# Altium PCB CH32V307V-R2-1v1.PcbDoc (part 1 of 3) (continued)
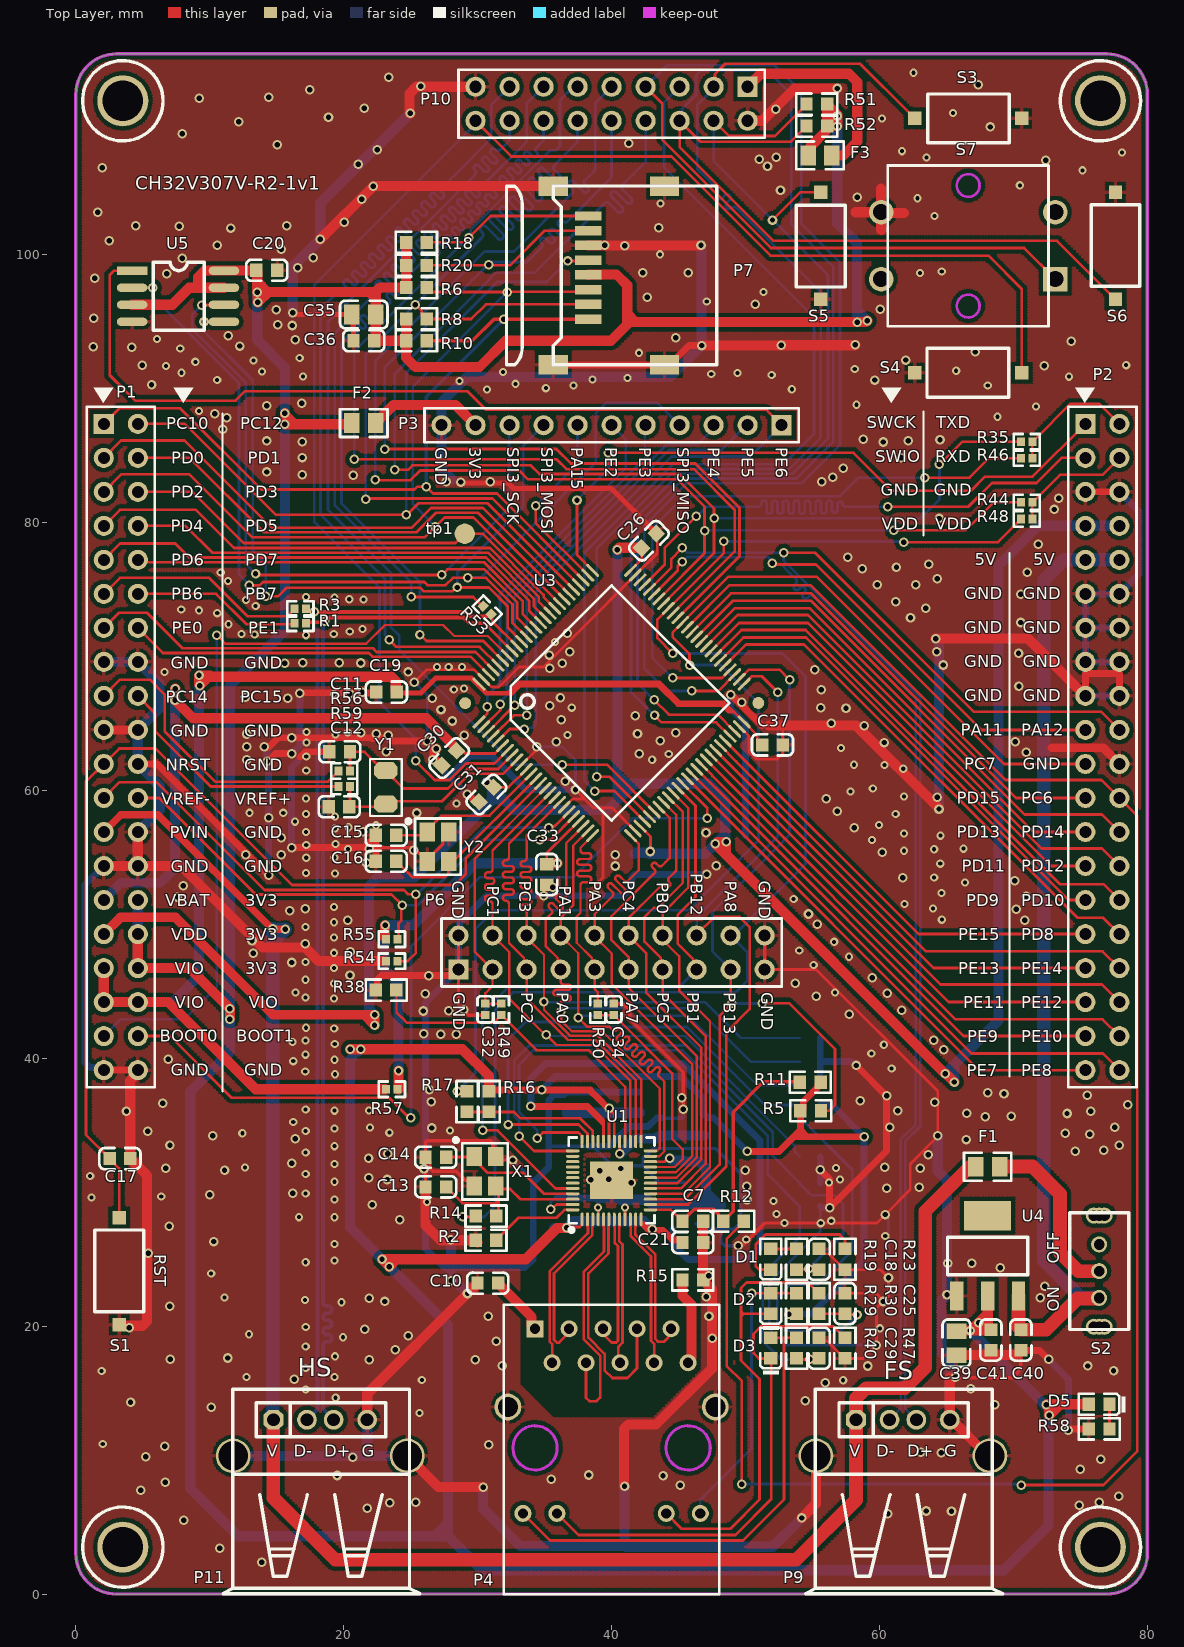
[diagram p0: Top Layer view]
## Footprints (in the part's own frame and the unit in brackets; to place one, negate y for a bottom-side part, rotate by r counter-clockwise, add the part's x,y. Pads: shape width x height; smd on the part's side, far side on the other; paste and mask are expansions set on the pad) (continued)
  silkscreen extent -1.27,-1.27 49.53,3.81
HOLE [mm]
  round 3.81 hole 3: 0(0,0)
  silkscreen extent -3,-3 3,3
"Horizontal Slide Switch_8.7x4.4mm-2D" [mm]
  round 1.2 hole 0.8: 0(0.2,2.6) 0(0.2,2.2) 0(0.2,1.8) 0(8.5,1.8) 0(8.5,2.2) 0(8.5,2.6) 1(4.35,2.2) 2(2.35,2.2) 3(6.35,2.2)
  silkscreen extent 0,0 8.7,4.4
KEYD [mm]
  rect 1.829x1.829 hole 1.2: 1(0,0)
  round 1.829 hole 1.2: 2(0,-5) 3(13,-5) 4(13,0)
  Keep-Out Layer circle w0.2: c6.5,-6.991 r0.85
  Keep-Out Layer circle w0.2: c6.5,2.009 r0.85
  silkscreen extent 0.5,-8.49 12.5,3.51
LQFP100 [mil]
  round 35 smd: 0(-68,10) 0(541.18,620)
  rect 9x50 smd: 1(0,0)
  oval 9x50 smd: 2(19.69,0) 3(39.37,0) 4(59.06,0) 5(78.74,0) 6(98.43,0) 7(118.11,0) 8(137.8,0) 9(157.48,0) 10(177.17,0) 11(196.85,0) 12(216.54,0) 13(236.22,0) 14(255.91,0) 15(275.59,0) 16(295.28,0) 17(314.96,0) 18(334.64,0) 19(354.33,0) 20(374.01,0) 21(393.7,0) 22(413.38,0) 23(433.07,0) 24(452.75,0) 25(472.44,0) 51(472.44,629.92) 52(452.75,629.92) 53(433.07,629.92) 54(413.39,629.92) 55(393.7,629.92) 56(374.02,629.92) 57(354.33,629.92) 58(334.65,629.92) 59(314.96,629.92) 60(295.27,629.92) 61(275.59,629.92) 62(255.9,629.92) 63(236.22,629.92) 64(216.54,629.92) 65(196.85,629.92) 66(177.17,629.92) 67(157.48,629.92) 68(137.8,629.92) 69(118.11,629.92) 70(98.43,629.92) 71(78.74,629.92) 72(59.06,629.92) 73(39.37,629.92) 74(19.69,629.92) 75(0,629.92)
  oval 50x9 smd: 26(551.18,78.74) 27(551.18,98.43) 28(551.18,118.11) 29(551.18,137.8) 30(551.18,157.48) 31(551.18,177.17) 32(551.18,196.85) 33(551.18,216.54) 34(551.18,236.22) 35(551.18,255.91) 36(551.18,275.59) 37(551.18,295.28) 38(551.18,314.96) 39(551.18,334.65) 40(551.18,354.33) 41(551.18,374.02) 42(551.18,393.7) 43(551.18,413.39) 44(551.18,433.07) 45(551.18,452.76) 46(551.18,472.44) 47(551.18,492.13) 48(551.18,511.81) 49(551.18,531.5) 50(551.18,551.18) 76(-78.74,551.18) 77(-78.74,531.5) 78(-78.74,511.81) 79(-78.74,492.13) 80(-78.74,472.44) 81(-78.74,452.76) 82(-78.74,433.07) 83(-78.74,413.39) 84(-78.74,393.7) 85(-78.74,374.02) 86(-78.74,354.33) 87(-78.74,334.65) 88(-78.74,314.96) 89(-78.74,295.28) 90(-78.74,275.59) 91(-78.74,255.91) 92(-78.74,236.22) 93(-78.74,216.54) 94(-78.74,196.85) 95(-78.74,177.17) 96(-78.74,157.48) 97(-78.74,137.8) 98(-78.74,118.11) 99(-78.74,98.43) 100(-78.74,78.74)
  silkscreen extent -8,70 481,560
POINT [mil] "测试点"
  round 60 smd: 1(0,0)
QFN-48_6x6x04P [mm]
  rect 3.2x2.8 smd mask+0.051: 0(0,0)
  oval 0.22x1 smd mask+0.051: 1(-2.2,-2.9) 2(-1.8,-2.9) 3(-1.4,-2.9) 4(-1,-2.9) 5(-0.6,-2.9) 6(-0.2,-2.9) 7(0.2,-2.9) 8(0.6,-2.9) 9(1,-2.9) 10(1.4,-2.9) 11(1.8,-2.9) 12(2.2,-2.9) 25(2.2,2.9) 26(1.8,2.9) 27(1.4,2.9) 28(1,2.9) 29(0.6,2.9) 30(0.2,2.9) 31(-0.2,2.9) 32(-0.6,2.9) 33(-1,2.9) 34(-1.4,2.9) 35(-1.8,2.9) 36(-2.2,2.9)
  oval 1x0.22 smd mask+0.051: 13(2.9,-2.2) 14(2.9,-1.8) 15(2.9,-1.4) 16(2.9,-1) 17(2.9,-0.6) 18(2.9,-0.2) 19(2.9,0.2) 20(2.9,0.6) 21(2.9,1) 22(2.9,1.4) 23(2.9,1.8) 24(2.9,2.2) 37(-2.9,2.2) 38(-2.9,1.8) 39(-2.9,1.4) 40(-2.9,1) 41(-2.9,0.6) 42(-2.9,0.2) 43(-2.9,-0.2) 44(-2.9,-0.6) 45(-2.9,-1) 46(-2.9,-1.4) 47(-2.9,-1.8) 48(-2.9,-2.2)
  silkscreen extent -3.2,-3.85 3.2,3.2
RJ45-1G [mil]
  round 78.74 hole 59.06: 0(-529.99,229.92) 0(79.85,229.92)
  rect 50x50 hole 30: 1(0,0)
  round 50 hole 30: 2(-50,100) 3(-100,0) 4(-150,100) 5(-200,0) 6(-250,100) 7(-300,0) 8(-350,100) 9(-400,0) 10(-450,100) 11(35.76,542.91) 12(-64.24,542.91) 13(-385.9,542.91) 14(-485.9,542.91)
  Keep-Out Layer circle w9: c0,350 r65
  Keep-Out Layer circle w9: c-450,350 r65
  silkscreen extent -542,-70 92,780
SMD-3225_4P [mm]
  rect 1.4x1.15 smd: 1(-1.1,-0.8) 2(1.1,-0.8) 3(1.1,0.8) 4(-1.1,0.8)
  silkscreen extent -2.48,-2.32 2.1,1.7, body extent -1.6,-1.25 1.6,1.25, height 0.61
SMD_6.1x3.65x2.5mm-KEY [mm]
  rect 1x1 smd: 1(0,0) 2(8,0)
  silkscreen extent 0.98,-1.82 7.08,1.82
SOIC-8_208mil [mil]
  rect 24x90 smd: 1(0,0)
  oval 24x90 smd: 2(50,0) 3(100,0) 4(150,0) 5(150,270) 6(100,270) 7(50,270) 8(0,270)
  silkscreen extent -25,62 175,212
SOT-223 [mm]
  rect 2.2x1 smd: 1(3,-2.3) 2(3,0) 3(3,2.3)
  rect 2.2x3.5 smd: 2(-3,0)
  silkscreen extent -1.4,-3 1.4,3, body extent -3.49,-3.24 3.49,3.24, height 1.64
TF103 [mm]
  rect 2x0.7 smd: 1(0.003,0.011) 2(0.003,-1.089) 3(0.003,-2.189) 4(0.003,-3.289) 5(0.003,-4.389) 6(0.003,-5.489) 7(0.003,-6.589) 8(0.003,-7.689)
  rect 2.2x1.45 smd: 10(-5.697,3.436) 10(-5.697,-9.914) 10(2.603,3.436) 10(2.603,-9.914)
  silkscreen extent -9.6,-9.92 6.1,3.44
USBAF [mil]
  round 102.36 hole 86.61: 0(-118.11,-106.3) 0(393.7,-106.3)
  oct 58x58 hole 38: 1(0,0)
  round 58 hole 38: 2(98.43,0) 3(177.17,0) 4(275.59,0)
  silkscreen extent -148,-511 431,90

## Part data
C1 C2 C3 C4 C5 C6 C7 C8 C9 C10 C11 C12 C13 C14 C15 C16 C17 C18 C19 C20 C21 C22 C23 C24 C25 C26 C27 C28 C29 C30 C31 C33 C37 C38 C39 C40 C41: library part CAP, "Capacitor"
C32 C34: library part "0603 2.7pF (2R7) 0.25pF 50V", "贴片电容", Package=0603, SuppliersPartNumber=C16149, ComponentLink1Description=供应商链接, ComponentLink1URL=http://www.szlcsc.com/product/details_16831.html, Supplier=LC
C35 C36: library part Cap, "Capacitor", Revision="July-2002: Re-released for DXP Platform."
D1 D5: library part "0603 蓝灯", "发光二极管", Package=0603, SuppliersPartNumber=C72041, ComponentLink1Description=供应商链接, ComponentLink1URL=http://www.szlcsc.com/product/details_73150.html, Supplier=LC
D2: library part "0805 黄灯", "发光二极管", Package=0805, SuppliersPartNumber=C2296, ComponentLink1Description=供应商链接, ComponentLink1URL=http://www.szlcsc.com/product/details_2669.html, Supplier=LC
D3: library part "0805 翠绿", "发光二极管", Package=0805, SuppliersPartNumber=C2297, ComponentLink1Description=供应商链接, ComponentLink1URL=http://www.szlcsc.com/product/details_2670.html, Supplier=LC
F1 F2 F3: library part "Fuse 1", "Fuse", LatestRevisionDate=17-Jul-2002, LatestRevisionNote="Re-released for DXP Platform.", PackageDescription="Thru-Hole; 2 Leads", PackageReference=PIN-W2/E2.8, Published=8-Jun-2000, Publisher="Altium Limited"
L1: library part Inductor, "Inductor", LatestRevisionDate=29-May-2009, LatestRevisionNote="IPC-7351 Footprint Added.", PackageDescription="Chip Inductor", PackageReference=0402-A, Published=8-Jun-2000, Publisher="Altium Limited"
P1 P2: "Header, 20-Pin, Dual row", LatestRevisionDate=17-Jul-2002, LatestRevisionNote="Re-released for DXP Platform.", Publisher="Altium Limited"
P3: "Header, 11-Pin", LatestRevisionDate=17-Jul-2002, LatestRevisionNote="Re-released for DXP Platform.", Publisher="Altium Limited"
P6: "Header, 10-Pin, Dual row", LatestRevisionDate=17-Jul-2002, LatestRevisionNote="Re-released for DXP Platform.", Publisher="Altium Limited"
P7: library part TF_自弹
P9 P11: "USB Port"
P10: "Header, 9-Pin, Dual row", LatestRevisionDate=17-Jul-2002, LatestRevisionNote="Re-released for DXP Platform.", Publisher="Altium Limited"
R1 R3 R35 R44 R46 R48 R53 R56 R59: library part "0402 0Ω (0R0) 1%", "贴片电阻", Package=0402, SuppliersPartNumber=C17168, ComponentLink1Description=供应商链接, ComponentLink1URL=http://www.szlcsc.com/product/details_17853.html, Supplier=LC
R2 R4 R5 R7 R9 R11 R12 R13 R14 R15 R16 R17 R19 R22 R23 R26 R29 R30 R33 R38 R40 R43 R47: library part Res
R6 R8 R10 R18 R20 R49 R50: library part Res2, "Resistor", PackageDescription="Axial Device, Thru-Hole; 2 Leads; 0.4 in Pin Spacing"
R51 R52: library part "0603 10KΩ (1002) 1%", "贴片电阻", Package=0603, SuppliersPartNumber=C25804, ComponentLink1Description=供应商链接, ComponentLink1URL=http://www.szlcsc.com/product/details_26547.html, Supplier=LC
R54 R55 R57: library part R
R58: library part "0603 470Ω (4700) 1%", "贴片电阻", Package=0603, SuppliersPartNumber=C23179, ComponentLink1Description=供应商链接, ComponentLink1URL=http://www.szlcsc.com/product/details_23906.html, Supplier=LC
S1 S3 S4 S5 S6 S7: library part KEY1
tp1: "测试点"
U1: library part RTL8211FS(I), "千兆以太网物理层芯片"
U3: "RISC-V FPU HD-MCU, 144MHz, USB_480M, USB OTG, 1000M Ethernet MAC, 2*CAN, FSMC+DVP"
U4: library part 6219P33M
U5: library part Pro89C.tmp_25F512_2
X1: library part XTAL-2P, "2脚无源脚晶振", BOM名称=2脚无源脚晶振
Y1 Y2: library part XTAL, "Crystal Oscillator", LatestRevisionDate=17-Jul-2002, LatestRevisionNote="Re-released for DXP Platform.", PackageDescription="Crystal, Thru-Hole; 2 Leads; Body 3.1 x 8.2 mm (Dia.xH)", PackageReference=R38, Published=8-Jun-2000, Publisher="Altium Limited"

## Free pads (board coordinates)
  round 0.711 hole 0.406: 2(39.782,30.987)

## Via types
v1: diameter 0.711, hole 0.406, Top Layer to Bottom Layer, tented both sides, 507 vias
v2: diameter 0.61, hole 0.305, Top Layer to Bottom Layer, tented both sides, 214 vias

## Nets (pads, with @x,y where several pads share a name; then routed paths per layer and width w, separated by ;. In a path a pad name is that pad's centre, name@x,y a point inside that pad or via, vN(x,y) a via of type N, cw(c..) or ccw(c..) an arc to the next point about the centre after c; other vN are vias at no path point)
3V3: C20.2 C21.2 C22.2 C23.2 C24.2 C27.2 C28.2 C35.2 C36.2 C39.1 C41.1 D5.A F2.2 F3.2 P1.30 P1.32 P1.34 P7.4 R5.1 R6.2 R8.2 R10.2 R11.2 R13.2 R16.2 R18.2 R20.2 R29.1 R33.1 R51.2 R52.2 U1.1 U1.12 U1.30 U1.31 U4.2@68.081,22.254 U5.3 U5.7 U5.8 | length 486.5
  Top Layer w0.203: v1(36.646,27.34) 36.713,27.407 37.615,27.407 37.8,27.592 U1.1@37.8,27.986 ; 39.304,36.693 v1@39.8,36.196 ; U1.31@39.8,33.786 v1@39.8,36.196 ; U1.30@40.2,33.786 40.203,33.79 40.203,35.793 v1@39.8,36.196
  Top Layer w0.508: R16.2@30.856,37.54 30.957,37.642 34.134,37.642 38.431,37.642 38.355,37.642 ; v1(34.768,37.642) 38.355,37.642 ; v1@39.79,36.206 39.79,36.227 39.659,36.358 39.638,36.358 39.043,36.953 38.355,37.642 ; 42.376,27.583 42.624,27.335 42.807,27.152 43.842,27.152 44.567,26.427 45.106,26.427 C21.2@45.292,26.241 ; v1(50.128,33.049) 52.494,33.049 53.583,34.138 ; R11.2@55.601,38.216 55.39,38.005 55.39,37.818 54.306,36.733 54.306,36.297 R5.1@54.095,36.086 54.095,34.65 ; v1(58.85,34.138) 54.607,34.138 ; 53.583,34.138 54.095,34.65 ; 53.583,34.138 54.607,34.138 ; 54.095,34.65 54.607,34.138
  Top Layer w0.762: U5.3@4.196,96.271 7.193,96.271 8.463,97.541 U5.7@11.054,97.541 ; P1.32@4.621,49.28 P1.34@4.621,46.74 8.465,46.74 v1(11.488,43.718) 11.497,43.709 v1@11.497,42.97 ; 9.126,97.746 9.126,98.329 9.625,98.827 C20.2@13.465,98.827 ; C20.2@13.481,98.843 C20.2@13.465,98.827 ; v1(15.607,88.182) v1@15.607,88.043 ; 16.204,87.446 v1@15.607,88.043 ; v1(20.469,40.683) 28.856,40.683 30.856,38.683 R16.2@30.856,37.54 ; F2.2@20.602,87.351 v1(15.607,87.351) v1@15.607,88.043 ; C36.2@22.269,93.583 C36.2@22.288,93.583 ; R8.2@24.652,95.212 R10.2@24.652,93.583 ; R18.2@24.652,100.901 R20.2@24.652,99.213 R6.2@24.652,97.549 24.586,97.549 24.568,97.568 22.717,97.568 22.382,97.233 22.382,97.216 ; v1(36.646,27.34) 35.941,27.34 33.599,24.999 23.941,24.999 ; P7.4@38.25,98.501 38.275,98.526 40.368,98.526 41.163,97.731 41.163,95.593 ; F3.2@54.652,107.419 54.866,107.633 54.866,108.105 56.008,109.247 56.008,109.531 R52.2@56.092,109.615 ; R51.2@56.092,111.252 R51.2@56.092,111.227 ; v1(59.096,95.069) 59.001,94.974 v1(58.333,94.974) 42.624,94.974 41.782,94.974 ; C39.1@65.749,19.619 65.807,19.676 v1(66.778,19.676) v1@66.832,19.676 ; U4.2@68.081,22.254 68.081,20.925 ; D5.A@75.638,14.168 73.499,14.168 ; C20.2@13.465,98.827 13.534,98.759 13.534,97.987 ; v1(13.534,97.216) 14.305,97.216 ; v1(13.534,97.216) 13.534,97.987 ; v1(13.534,97.216) 13.574,97.176 v1(13.574,96.44) 14.35,97.216 ; 13.534,97.987 14.305,97.216 ; 14.305,97.216 14.35,97.216 ; 14.35,97.216 21.943,97.216 ; 21.943,97.216 22.382,97.216 ; 21.943,97.216 22.382,96.777 ; C36.2@22.288,93.583 R10.2@24.652,93.583 ; C36.2@22.288,93.583 22.382,93.678 C35.2@22.382,95.537 22.382,96.777 ; 22.382,96.777 22.382,97.216 ; 23.941,24.999 v1(22.857,24.999) 23.386,24.47 v1(23.386,24.444) 23.941,24.999 ; R10.2@24.652,93.583 24.652,92.324 25.35,91.625 30.14,91.625 32.101,93.587 39.955,93.587 41.163,94.795 ; 41.163,94.795 41.163,95.593 ; 41.163,94.795 41.342,94.974 41.782,94.974 ; 41.163,95.593 41.782,94.974 ; R52.2@56.092,109.615 v1(56.857,109.615) 56.856,109.616 v1(56.856,110.364) ; R52.2@56.092,109.615 56.092,110.114 ; 56.092,110.114 R51.2@56.092,111.227 ; 56.092,110.114 56.341,110.364 v1(56.856,110.364) ; R51.2@56.092,111.227 56.856,110.463 v1(56.856,110.364) ; v1@66.832,19.676 68.26,19.676 C41.1@68.318,19.734 68.293,19.734 68.081,19.946 68.081,20.925 ; v1@66.832,19.676 v1(67.424,20.268) 68.081,20.925 ; 73.499,14.168 v1(72.68,13.349) 72.68,13.911 v1(72.466,14.125) 72.508,14.168 73.499,14.168
  Bottom Layer w0.508: v1(34.768,37.642) 35.78,38.653 45.196,38.653 46.822,37.027 R13.2@46.822,35.774 ; R13.2@46.97,35.774 47.181,35.563 47.614,35.563 v1(50.128,33.049) ; v1(53.241,20.886) 54.872,20.886 58.85,24.864 v1(58.85,34.138) 56.474,36.513 R33.1@55.584,36.513
  Bottom Layer w0.762: P1.34@4.621,46.74 P1.32@4.621,49.28 P1.30@4.621,51.82 ; v1(13.534,97.216) 13.534,93.646 15.607,91.572 v1(15.607,88.182) v1(15.607,87.351) 15.607,71.917 11.488,67.798 v1(11.488,43.718) 11.488,40.463 8.534,37.51 8.534,7.911 12.129,4.316 26.772,4.316 ; v1(20.469,40.683) 20.484,40.683 20.631,40.536 21.105,40.536 v1(21.26,40.691) v1@20.476,40.691 ; 20.659,40.09 20.469,39.9 20.469,27.387 27.792,20.063 27.792,5.336 ; C23.2@35.694,27.34 v1(36.646,27.34) 37.141,27.836 42.424,27.836 v1(43.021,27.239) ; C24.2@36.628,35.938 C22.2@38.206,35.938 C28.2@40.521,35.938 C27.2@42.099,35.938 ; v1(56.856,110.364) 56.857,110.363 v1(56.857,109.615) 56.857,102.342 58.333,100.865 58.333,95.831 ; v1(66.778,19.676) v1@66.986,19.468 ; 67.193,19.261 67.193,20.038 v1(67.424,20.268) ; 67.424,19.03 v1@72.397,14.057 ; v1@72.624,13.83 72.624,5.111 69.289,1.777 30.332,1.777 27.792,4.316 ; 26.772,4.316 27.792,4.316 ; 26.772,4.316 27.792,5.336 ; 27.792,4.316 27.792,5.336 ; 58.333,95.831 v1(59.096,95.069) 58.428,95.069 v1(58.333,94.974) 58.333,95.831
  other v1: 39.816,36.257 11.497,42.919
5V: C40.1 P2.9 P2.10 S2.2 U4.3 | length 71.8
  Top Layer w1.016: U4.3@70.381,22.254 70.381,19.915 C40.1@70.563,19.734 72.452,19.734 74.789,22.071 76.368,22.071 S2.2@76.403,22.106
  Bottom Layer w1.016: S2.2@76.403,22.106 76.368,22.141 75.003,22.141 72.262,24.882 72.262,75.696 73.786,77.22 P2.9@75.379,77.22 P2.10@77.919,77.22
AVDD10: C1.2 C2.2 C3.2 C4.2 C5.2 C6.2 L1.2 U1.4 U1.9 U1.22 U1.47 | length 27.4
  Top Layer w0.203: v1(35.463,28.729) 35.539,28.729 35.896,29.086 U1.47@37.1,29.086 ; v2(38.988,28.853) 38.997,28.844 38.997,27.99 U1.4@39,27.986 ; U1.9@40.997,27.99 v2@40.997,28.844 ; U1.22@42.9,32.286 43.946,32.286 44.209,32.55 v1(44.347,32.55)
  Bottom Layer w0.203: v1(35.463,28.729) 35.463,29.275 C1.2@35.709,29.521
  Bottom Layer w0.508: C1.2@35.903,29.563 38.837,29.563 C3.2@38.953,29.447 ; C3.2@39.073,29.447 C2.2@40.623,29.447 ; C2.2@40.859,29.658 C2.2@41.093,29.658
  Bottom Layer w0.762: C2.2@40.623,29.447 42.699,29.447 42.993,29.153 44.462,29.153 44.468,29.147 44.571,29.147 C4.2@46.342,29.147 ; v1(44.347,32.55) 44.516,32.381 45.349,32.381 C6.2@45.433,32.297 46.529,32.297 47.056,31.769 47.056,29.836 ; C4.2@46.342,29.147 46.4,29.09 C5.2@47.957,29.09 ; C4.2@46.342,29.147 C4.2@46.367,29.147 ; C4.2@46.367,29.147 47.056,29.147 47.056,29.836 ; C4.2@46.367,29.147 47.056,29.836 ; 47.056,29.836 47.211,29.836 C5.2@47.957,29.09 ; C5.2@47.957,29.09 48.112,29.09 48.17,29.032 48.015,29.032 C5.2@47.957,29.09
  other v2: 40.988,28.853
BOOT0: P1.37 U3.94 | length 59.7
  Top Layer w0.178: v1(10.516,71.603) 11.163,70.955 21.667,70.955 23.069,72.357 27.422,72.357 28.245,71.534 30.755,71.534 30.998,71.291 U3.94@32.222,70.068
  Bottom Layer w0.178: P1.37@2.081,41.66 3.331,42.91 8.088,42.91 10.516,45.337 v1(10.516,71.603)
BOOT1: P1.38 U3.37 | length 65.2
  Top Layer w0.203: P1.38@4.621,41.66 7.032,41.66 11.633,37.059 23.37,37.059 24.701,35.728 24.714,35.728 24.882,35.56 v1(25.019,35.56) ; U3.37@45.303,60.522 47.152,58.673 v1(47.152,57.919)
  Bottom Layer w0.203: v1(25.019,35.56) 25.019,48.36 30.186,53.527 37.163,53.527 41.555,57.919 v1(47.152,57.919)
DP_PWDN: P10.18 S4.1 U3.7 | length 116.5
  Top Layer w0.203: v1(25.37,62.207) 26.794,60.784 27.901,60.784 29.137,62.019 31.245,62.019 U3.7@32.222,62.996 ; P10.18@29.84,110.007 32.516,107.331 44.463,107.331 51.861,99.934 68.132,99.934 70.626,97.439 S4.1@70.626,91.182
  Bottom Layer w0.203: v1(25.37,62.207) 25.37,63.862 22.667,66.565 22.667,75.167 17.801,80.034 17.801,97.742 29.84,109.781 P10.18@29.84,110.007
DP_RESET: P10.7 S7.1 U3.53 | length 114.5
  Top Layer w0.203: P10.7@42.54,112.547 43.772,111.315 43.772,108.625 51.891,100.506 70.803,100.506 S7.1@73.126,98.183 ; v1(45.992,67.431) 47.97,67.431 U3.53@49.192,68.653
  Bottom Layer w0.203: P10.7@42.54,112.547 44.144,114.151 52.165,114.151 54.171,112.145 54.171,102.302 57.057,99.417 57.057,85.807 54.188,82.938 45.596,82.938 42.445,79.787 42.445,69.095 44.108,67.431 v1(45.992,67.431)
DVDDREG: C8.2 C9.2 R13.1 U1.29 | length 7.7
  Top Layer w0.178: v1@40.6,32.892 U1.29@40.6,33.786
  Bottom Layer w0.762: v1@40.657,32.867 41.815,34.024 43.329,34.024 43.455,34.15 43.689,34.15 C8.2@43.773,34.234 ; C8.2@43.798,34.234 C9.2@45.357,34.234 R13.1@46.97,34.234
  other v1: 40.6,32.867
DVP_D2/SDIO_D0: P7.7 P10.10 R20.1 U3.65 | length 87.9
  Top Layer w0.203: v1(23.063,85.496) 35.866,85.496 36.952,84.41 46.246,84.41 49.544,81.112 49.544,77.49 U3.65@44.95,72.896 ; R20.1@26.192,99.213 30.816,99.213 32.42,99.213 35.008,101.801 P7.7@38.25,101.801
  Bottom Layer w0.203: v1(23.063,85.496) 23.063,91.583 29.598,98.118 ; 29.566,98.118 29.598,98.118 ; P10.10@40,110.007 40,105.773 37.177,102.95 36.715,102.488 cw(c36.554,102.65) 36.392,102.488 36.369,102.511 ccw(c36.208,102.349) 36.046,102.511 ccw(c36.208,102.349) 36.046,102.188 36.316,101.918 cw(c36.154,101.756) 36.316,101.595 cw(c36.154,101.756) 35.992,101.595 35.723,101.864 ccw(c35.561,101.703) 35.399,101.864 ccw(c35.561,101.703) 35.399,101.541 35.669,101.271 cw(c35.508,101.11) 35.346,100.948 35.076,101.218 ccw(c34.915,101.056) 34.753,101.218 ccw(c34.915,101.056) 34.753,100.894 34.775,100.872 cw(c34.614,100.71) 34.775,100.549 34.704,100.477 33.69,99.463 30.944,99.463 29.598,98.118
  other v1: 30.816,99.249
DVP_D3/SDIO_D1: P7.8 P10.11 R18.1 U3.66 | length 87.6
  Top Layer w0.203: v1(20.777,84.734) 35.883,84.734 36.623,83.995 46.158,83.995 49.188,80.965 49.188,77.842 U3.66@44.596,73.25 ; R18.1@26.192,100.926 28.906,100.926 29.257,101.277 v1(29.345,101.277) 30.968,102.901 P7.8@38.25,102.901
  Bottom Layer w0.203: v1(20.777,84.734) 20.777,92.786 29.478,101.487 29.478,101.839 35.45,107.81 35.852,107.81 36.155,108.113 36.155,111.55 37.153,112.547 P10.11@37.46,112.547
DVP_D4/SDIO_D3: P7.2 P10.12 R8.1 U3.79 | length 88.6
  Top Layer w0.203: v1(21.641,81.737) 21.707,81.803 31.093,81.803 U3.79@37.525,75.371 ; v1(25.348,96.275) 25.828,95.795 25.828,95.575 R8.1@26.192,95.212 29.517,95.212 30.606,96.301 P7.2@38.25,96.301
  Bottom Layer w0.203: v1(21.641,81.737) 21.641,92.606 30.268,101.233 30.34,101.305 ccw(c30.16,101.484) 30.34,101.664 30.262,101.742 cw(c30.442,101.921) 30.621,102.101 31.503,101.22 ccw(c31.682,101.399) 31.862,101.22 ccw(c31.682,101.399) 31.862,101.579 30.981,102.46 cw(c31.16,102.64) 30.981,102.819 cw(c31.16,102.64) 31.34,102.819 32.221,101.938 ccw(c32.401,102.118) 32.58,102.297 31.699,103.178 cw(c31.879,103.358) 31.699,103.538 cw(c31.879,103.358) 32.058,103.538 32.94,102.656 ccw(c33.119,102.836) 33.299,102.656 ccw(c33.119,102.836) 33.299,103.016 32.418,103.897 cw(c32.597,104.076) 32.777,104.256 33.658,103.375 ccw(c33.838,103.554) 34.017,103.375 ccw(c33.838,103.554) 34.017,103.734 33.136,104.615 cw(c33.316,104.795) 33.136,104.975 cw(c33.316,104.795) 33.495,104.975 34.376,104.093 ccw(c34.556,104.273) 34.736,104.453 33.854,105.334 cw(c34.034,105.513) 33.854,105.693 cw(c34.034,105.513) 34.214,105.693 35.095,104.812 ccw(c35.274,104.991) 35.454,104.812 ccw(c35.274,104.991) 35.454,105.171 34.573,106.052 cw(c34.752,106.232) 34.932,106.411 35.813,105.53 ccw(c35.993,105.71) 36.172,105.53 ccw(c35.993,105.71) 36.172,105.889 35.728,106.334 cw(c35.908,106.513) 35.728,106.693 36.069,107.033 37.46,108.425 P10.12@37.46,110.007
DVP_D5: P10.13 R53.2 | length 70.8
  Top Layer w0.203: v1(25.03,74.46) 25.045,74.444 29.666,74.444 R53.2@30.378,73.732
  Bottom Layer w0.203: 24.3,98.87 ccw(c24.452,99.023) 24.605,98.87 ccw(c24.452,99.023) 24.605,99.175 24.261,99.519 cw(c24.413,99.672) 24.566,99.825 24.91,99.481 ccw(c25.063,99.633) 25.216,99.786 24.871,100.13 cw(c25.024,100.283) 25.177,100.435 25.521,100.091 ccw(c25.674,100.244) 25.826,100.397 25.482,100.741 cw(c25.635,100.893) 25.787,101.046 26.132,100.702 ccw(c26.284,100.855) 26.437,101.007 26.093,101.351 cw(c26.245,101.504) 26.093,101.657 cw(c26.245,101.504) 26.398,101.657 26.742,101.313 ccw(c26.895,101.465) 27.048,101.618 26.703,101.962 cw(c26.856,102.115) 27.009,102.267 27.353,101.923 ccw(c27.506,102.076) 27.658,102.229 27.314,102.573 cw(c27.467,102.725) 27.619,102.878 27.964,102.534 ccw(c28.116,102.687) 28.269,102.839 27.925,103.183 cw(c28.077,103.336) 27.925,103.489 cw(c28.077,103.336) 28.23,103.489 28.574,103.145 ccw(c28.727,103.297) 28.88,103.45 28.535,103.794 cw(c28.688,103.947) 28.841,104.099 29.185,103.755 ccw(c29.338,103.908) 29.49,104.061 29.146,104.405 cw(c29.299,104.557) 29.451,104.71 29.796,104.366 ccw(c29.948,104.519) 30.101,104.671 29.757,105.015 cw(c29.909,105.168) 30.062,105.321 30.135,105.248 ccw(c30.288,105.4) 30.441,105.248 30.712,105.519 33.668,108.475 33.668,110.707 33.664,110.71 33.664,111.292 P10.13@34.92,112.547 ; 24.3,98.87 23.955,99.214 ccw(c23.803,99.061) 23.65,98.909 23.994,98.565 cw(c23.842,98.412) 23.689,98.259 23.345,98.603 ccw(c23.192,98.451) 23.04,98.298 23.384,97.954 cw(c23.231,97.801) 23.078,97.649 22.734,97.993 ccw(c22.582,97.84) 22.429,97.687 22.502,97.614 cw(c22.349,97.462) 22.502,97.309 22.43,97.237 19.334,94.141 19.334,81.27 25.03,75.574 v1(25.03,74.46)
DVP_D6: P10.14 U3.95 | length 74.8
  Top Layer w0.203: v1(25.692,71.642) 26.166,71.168 30.414,71.168 U3.95@31.868,69.714
  Bottom Layer w0.203: v1(25.692,71.642) 25.692,75.564 19.838,81.417 19.838,93.451 19.96,93.572 20.337,93.949 cw(c20.489,93.797) 20.642,93.949 20.669,93.923 ccw(c20.822,94.075) 20.974,94.228 20.693,94.509 cw(c20.846,94.661) 20.999,94.814 21.28,94.533 ccw(c21.432,94.686) 21.585,94.839 21.304,95.119 cw(c21.457,95.272) 21.609,95.425 21.89,95.144 ccw(c22.043,95.297) 22.196,95.144 ccw(c22.043,95.297) 22.196,95.449 21.915,95.73 cw(c22.067,95.883) 22.22,96.035 22.501,95.755 ccw(c22.654,95.907) 22.806,96.06 22.525,96.341 cw(c22.678,96.493) 22.831,96.646 23.111,96.365 ccw(c23.264,96.518) 23.417,96.671 23.273,96.814 cw(c23.426,96.967) 23.578,97.12 23.722,96.976 ccw(c23.875,97.129) 24.027,97.281 23.891,97.417 cw(c24.044,97.57) 23.891,97.723 cw(c24.044,97.57) 24.197,97.723 24.333,97.587 ccw(c24.485,97.739) 24.638,97.892 24.611,97.919 cw(c24.764,98.071) 24.611,98.224 26.443,100.056 cw(c26.596,99.903) 26.749,100.056 26.775,100.029 ccw(c26.928,100.182) 27.081,100.335 26.942,100.474 cw(c27.094,100.626) 27.247,100.779 27.386,100.64 ccw(c27.539,100.792) 27.691,100.945 27.552,101.085 cw(c27.704,101.238) 27.857,101.39 27.997,101.25 ccw(c28.149,101.403) 28.302,101.25 ccw(c28.149,101.403) 28.302,101.556 28.162,101.696 cw(c28.314,101.849) 28.467,102.001 28.607,101.861 ccw(c28.76,102.014) 28.913,102.166 28.772,102.307 cw(c28.924,102.46) 29.077,102.613 29.218,102.472 ccw(c29.371,102.624) 29.523,102.777 29.382,102.919 cw(c29.535,103.071) 29.687,103.224 29.829,103.082 ccw(c29.981,103.235) 30.134,103.082 ccw(c29.981,103.235) 30.134,103.388 29.992,103.53 cw(c30.145,103.683) 30.297,103.835 30.439,103.693 ccw(c30.592,103.846) 30.745,103.998 30.602,104.141 cw(c30.755,104.294) 30.907,104.446 31.05,104.304 ccw(c31.203,104.456) 31.355,104.609 31.075,104.89 cw(c31.227,105.043) 31.38,105.195 31.661,104.914 ccw(c31.813,105.067) 31.966,105.22 31.685,105.501 cw(c31.838,105.653) 31.685,105.806 cw(c31.838,105.653) 31.991,105.806 32.271,105.525 ccw(c32.424,105.678) 32.577,105.83 32.296,106.111 cw(c32.449,106.264) 32.601,106.417 32.882,106.136 ccw(c33.035,106.288) 33.187,106.441 32.907,106.722 cw(c33.059,106.875) 33.212,107.027 33.493,106.746 ccw(c33.645,106.899) 33.798,107.052 33.517,107.333 cw(c33.67,107.485) 33.823,107.638 34.103,107.357 ccw(c34.256,107.51) 34.409,107.357 ccw(c34.256,107.51) 34.409,107.662 34.382,107.689 cw(c34.535,107.842) 34.382,107.994 34.619,108.232 34.92,108.533 P10.14@34.92,110.007
DVP_D7: P10.15 U3.96 | length 74.7
  Top Layer w0.203: v1(23.388,71.261) 23.92,70.729 30.146,70.729 U3.96@31.515,69.36
  Bottom Layer w0.203: v1(23.388,71.261) 23.388,71.3 23.084,71.604 23.084,75.799 18.267,80.616 18.267,95.943 19.181,96.857 19.576,97.252 cw(c19.738,97.09) 19.899,97.252 19.993,97.158 ccw(c20.155,97.32) 20.317,97.481 20.038,97.76 cw(c20.199,97.922) 20.038,98.084 cw(c20.199,97.922) 20.361,98.084 20.64,97.804 ccw(c20.802,97.966) 20.963,97.804 ccw(c20.802,97.966) 20.963,98.128 20.684,98.407 cw(c20.846,98.569) 20.684,98.73 cw(c20.846,98.569) 21.007,98.73 21.287,98.451 ccw(c21.448,98.613) 21.61,98.451 ccw(c21.448,98.613) 21.61,98.774 21.331,99.053 cw(c21.492,99.215) 21.654,99.377 21.933,99.098 ccw(c22.095,99.259) 22.256,99.098 ccw(c22.095,99.259) 22.256,99.421 21.977,99.7 cw(c22.139,99.862) 21.977,100.023 cw(c22.139,99.862) 22.301,100.023 22.58,99.744 ccw(c22.741,99.906) 22.903,99.744 ccw(c22.741,99.906) 22.903,100.067 22.624,100.347 cw(c22.785,100.508) 22.947,100.67 23.226,100.391 ccw(c23.388,100.552) 23.55,100.391 ccw(c23.388,100.552) 23.55,100.714 23.27,100.993 cw(c23.432,101.155) 23.27,101.317 cw(c23.432,101.155) 23.594,101.317 23.873,101.037 ccw(c24.035,101.199) 24.196,101.037 ccw(c24.035,101.199) 24.196,101.361 23.917,101.64 cw(c24.079,101.801) 23.917,101.963 cw(c24.079,101.801) 24.24,101.963 24.519,101.684 ccw(c24.681,101.846) 24.843,102.007 24.564,102.286 cw(c24.725,102.448) 24.564,102.61 cw(c24.725,102.448) 24.887,102.61 25.166,102.331 ccw(c25.328,102.492) 25.489,102.331 ccw(c25.328,102.492) 25.489,102.654 25.21,102.933 cw(c25.372,103.095) 25.21,103.256 cw(c25.372,103.095) 25.533,103.256 25.813,102.977 ccw(c25.974,103.139) 26.136,103.3 25.857,103.58 cw(c26.018,103.741) 25.857,103.903 cw(c26.018,103.741) 26.18,103.903 26.459,103.624 ccw(c26.621,103.785) 26.782,103.624 ccw(c26.621,103.785) 26.782,103.947 26.503,104.226 cw(c26.665,104.388) 26.503,104.549 cw(c26.665,104.388) 26.827,104.549 27.106,104.27 ccw(c27.267,104.432) 27.429,104.27 ccw(c27.267,104.432) 27.429,104.594 27.15,104.873 cw(c27.312,105.034) 27.473,105.196 27.752,104.917 ccw(c27.914,105.078) 28.076,104.917 ccw(c27.914,105.078) 28.076,105.24 27.981,105.334 cw(c28.143,105.496) 27.981,105.658 28.368,106.044 31.007,108.684 31.007,108.737 31.007,111.175 P10.15@32.38,112.547
DVP_HSYNC: P10.5 U3.29 | length 74.7
  Top Layer w0.203: v1(38.735,59.957) 40.211,59.957 U3.29@42.475,57.693
  Bottom Layer w0.203: v1(38.735,59.957) 37.969,60.723 37.969,77.751 44.578,84.36 52.851,84.36 55.113,86.622 55.113,95.312 43.911,106.514 43.911,111.378 P10.5@45.08,112.547